# Altium PCB Mainboard.PcbDoc (part 2 of 4) (continued)
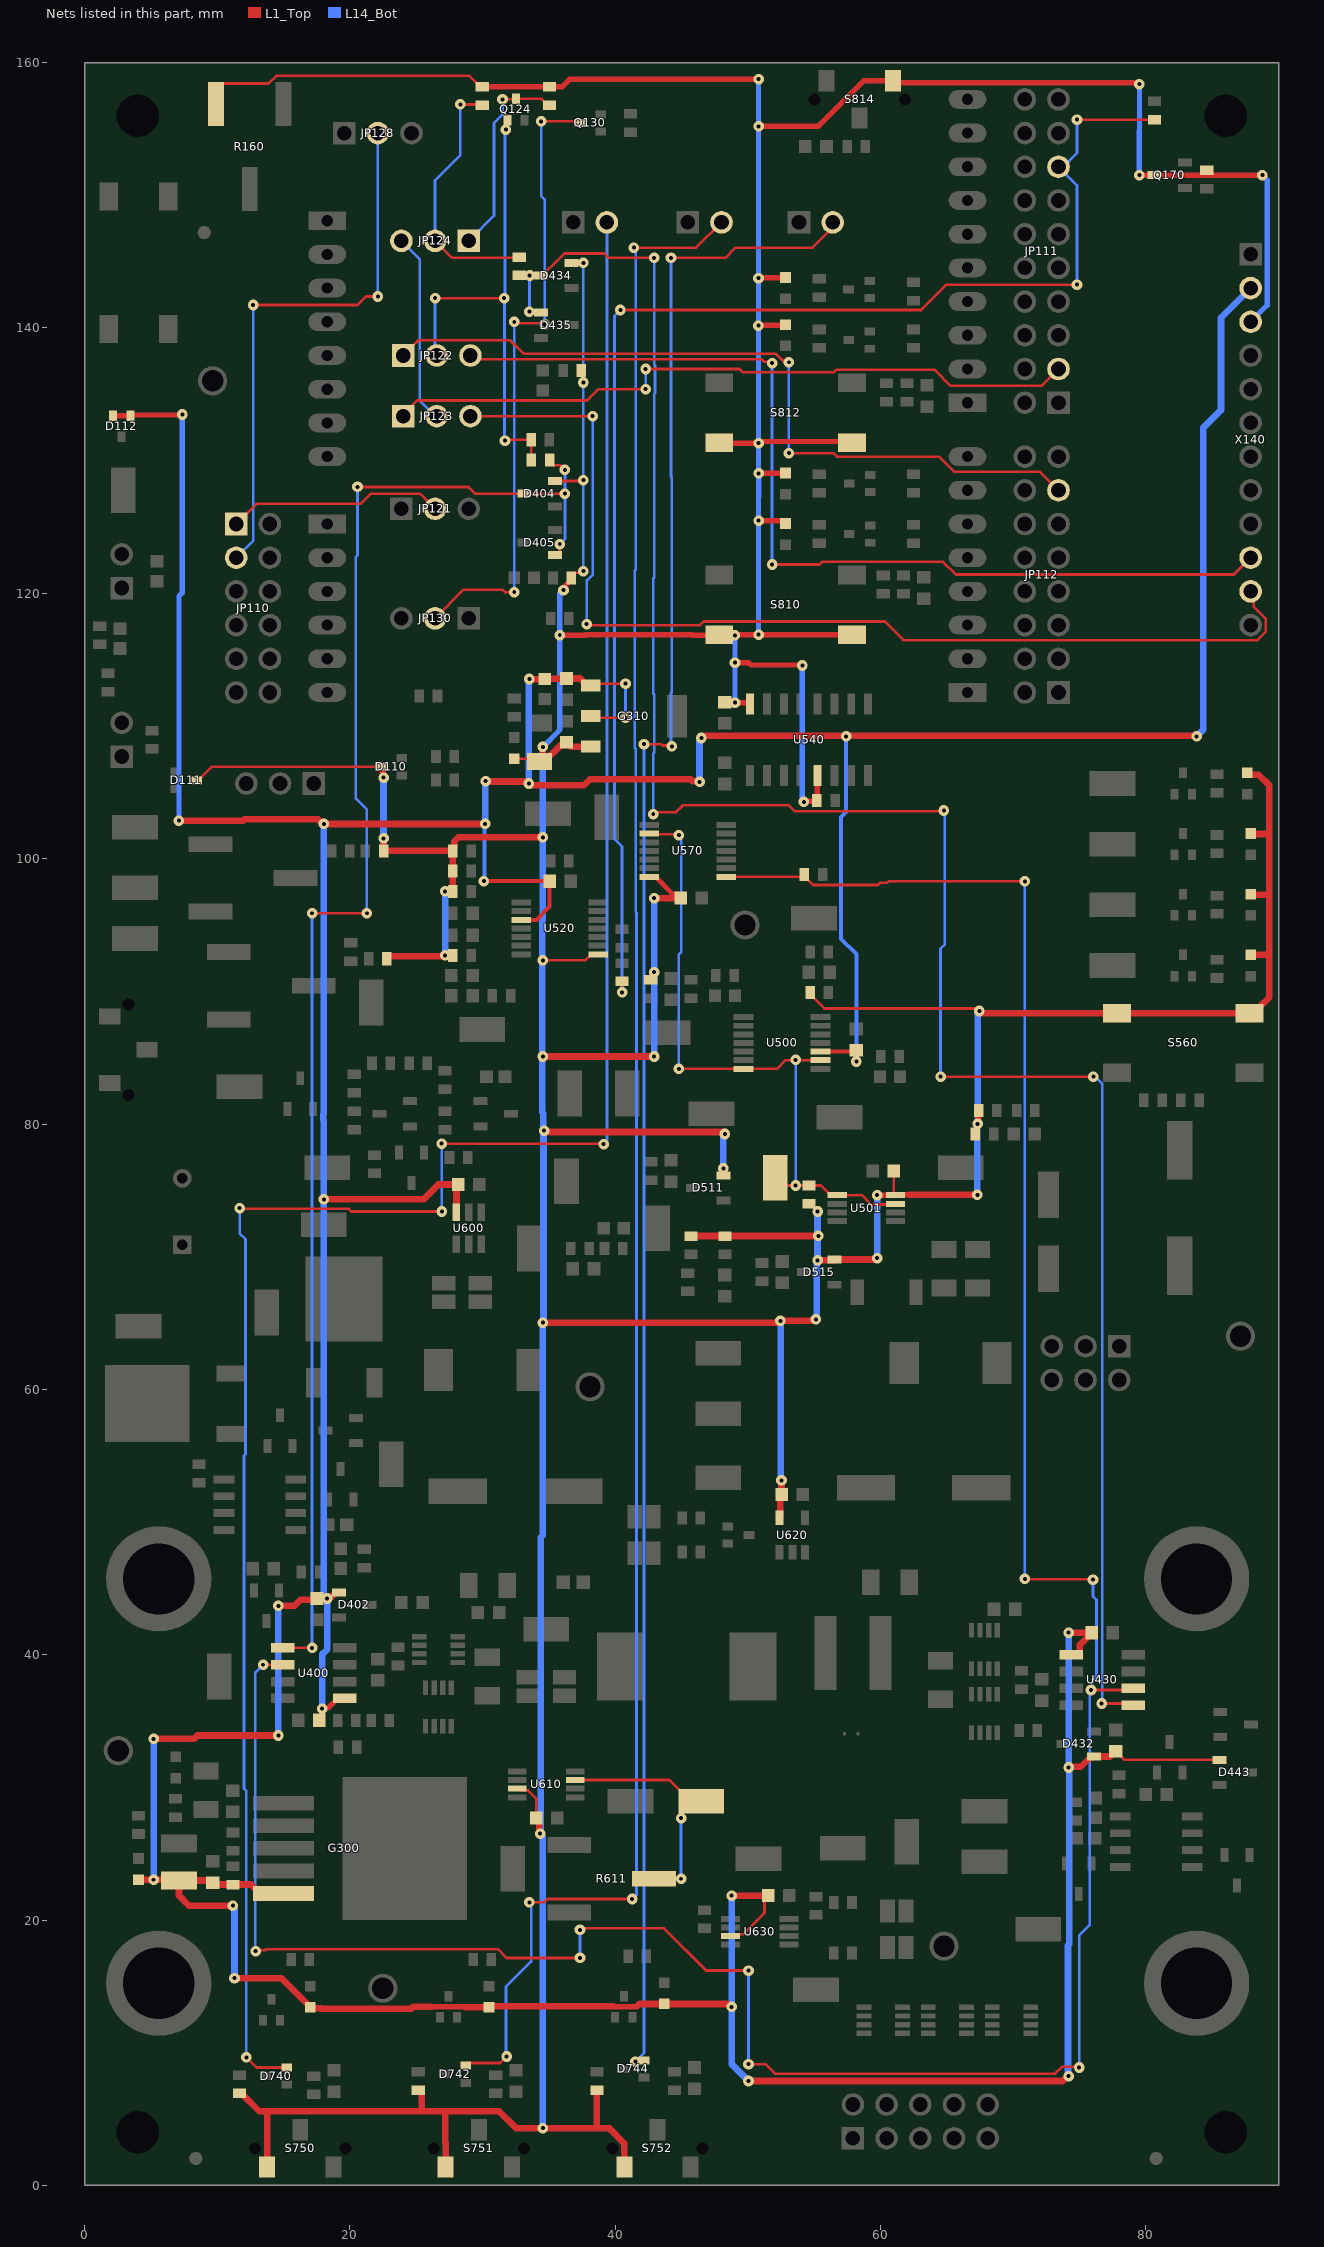
[diagram p2: the nets of this part, all layers, seen from the top]
## Part data (continued)
U410 U440: library part 644198, "General Purpose Timers", Manufacturer=Renesas, Package Description="SOIC,1.27mm pitch;8 pin,3.90mm W X 4.90mm L X 1.75mm H body", Supplier Part Number 1=9663754, Temperature max=85, Temperature min=-25, Temperature Range=Military, Voltage DC (max)=na, Alternate View=Yes, Application="Standard Interface", Article Number=644198, Automotive Qualified=No, Combined Parameters="Standard Interface Clock Buffer;Vdc min/max:2V/18V;Iout:100mA;Fmax:1MHz", ComponentLink1Description="Vendor WebSite", ComponentLink1URL=http://www.renesas.eu/, ComponentLink2Description=Datasheet, ComponentLink2URL=http://webnetprod.muc.infineon.com/PCBPortal_Prod/WorkFlows/AltiumComponent/StandardDocumentation?Versionid=644199, ComponentStatus=Released, Legacy DeviceID=REN_ICM7555IBAZ, Manufacturer Order Number=ICM7555IBAZ, Multiple Parts=No, PackageReference=SOIC-8, Part Type="Integrated Circuit", PLMStatus=Active, QuickPick=SOIC-8, RoHS Compliant=Y, Second Source allowed=Yes, Supplier 1=Farnell, Supplier 2=DigiKey, Supplier 3=Mouser, Supplier Part Number 2=ICM7555IBAZ-TCT-ND, Supplier Part Number 3=968-ICM7555IBAZ, Symbol Type="General Purpose Timer", Type="Clock Buffer", Version Number=V01
U500 U520: library part 409035, "Quad Differential Comparator", Legacy PartNumber=IC02600564, Manufacturer="Texas Instruments", Supplier Part Number 1=2436009, Temperature max=0, Temperature Range=Military, Voltage DC (max)=na, Alternate View=Yes, Article Number=409035, Automotive Qualified=No, Combined Parameters=Res.:-;Fmax:-, ComponentLink1Description="Vendor WebSite", ComponentLink1URL=http://www.ti.com, ComponentLink2Description=Datasheet, ComponentLink2URL=http://webnetprod.muc.infineon.com/PCBPortal_Prod/WorkFlows/AltiumComponent/StandardDocumentation?Versionid=409036, ComponentStatus=Released, Legacy DeviceID=TI_LM339, Manufacturer Order Number=LM339PWR, PackageReference="TSSOP-14 (PW)", Part Type="Analog Parts", PLMStatus=Active, QuickPick="TSSOP-14 (PW)", Second Source allowed=Yes, Supplier 1=Farnell, Supplier 2=DigiKey, Supplier 3=Mouser, Supplier Part Number 2=296-6607-2-ND, Supplier Part Number 3=595-LM339PWR, Symbol Type="Quad Differential Comparator", Temperature min=0, Version Number=V01
U501: library part 648281, "Low-Power Open-Drain Output Comparator", Manufacturer="Microchip Technology", Package Description="SOP,0.65mm pitch;8 pin,3.00mm W X 3.00mm L X 1.10mm H body", Supplier Part Number 1=1834862, Temperature max=125, Temperature min=-40, Temperature Range=Automotive, Voltage DC (max)=na, Alternate View=Yes, Application="Power Electronics", Article Number=648281, Automotive Qualified=No, Combined Parameters=Res.:-;Fmax:4MHz, ComponentLink1Description="Vendor WebSite", ComponentLink1URL=http://www.microchip.com/, ComponentLink2Description=Datasheet, ComponentLink2URL=http://webnetprod.muc.infineon.com/PCBPortal_Prod/WorkFlows/AltiumComponent/StandardDocumentation?Versionid=648282, ComponentStatus=Released, Legacy DeviceID=MT_MCP6567-E/MS, Manufacturer Order Number=MCP6567-E/MS, Multiple Parts=Yes, PackageReference="MSOP-8 (MS)", Part Type="Analog Parts", PLMStatus=Active, QuickPick="Comparator / MSOP-8 (MS)", RoHS Compliant=Y, Second Source allowed=Yes, Supplier 1=Farnell, Supplier 2=DigiKey, Supplier 3=Mouser, Supplier Part Number 2=MCP6567-E/MS-ND, Supplier Part Number 3=579-MCP6567-E/MS, Symbol Type="Low-Power Open-Drain Output Comparator", Type=Comparator, Version Number=V00
U540: library part 648079, "Quad R/S latch with 3-state outputs", Manufacturer=Nexperia, Package Description="SOIC,1.27mm pitch;16 pin,3.90mm W X 9.90mm L X 1.75mm H body", Temperature max=85, Temperature min=-40, Temperature Range=Industrial, Voltage DC (max)=na, Alternate View=No, Article Number=648079, Automotive Qualified=No, Combined Parameters="- Digital;Vdc min/max:3V/15V;Iout:2.4mA;Fmax:-", ComponentLink1Description="Vendor WebSite", ComponentLink1URL=http://www.nexperia.com, ComponentLink2Description=Datasheet, ComponentLink2URL=http://webnetprod.muc.infineon.com/PCBPortal_Prod/WorkFlows/AltiumComponent/StandardDocumentation?Versionid=648080, ComponentStatus=Released, Legacy DeviceID=NEX_HEF4043BT,653, Manufacturer Order Number=HEF4043BT,653, Multiple Parts=No, PackageReference=SO-16, Part Type="Integrated Circuit", PLMStatus=Active, QuickPick=SO-16, RoHS Compliant=Y, Second Source allowed=Yes, Supplier 1=Farnell, Supplier 2=DigiKey, Supplier 3=Mouser, Supplier Part Number 2=1727-1799-1-ND, Supplier Part Number 3=771-HEF4043BT653, Symbol Type="Quad R/S latch with 3-state outputs", Type=Digital, Version Number=V00
U570: library part 648286, "Dual 4-input NOR gate, Inputs also include clamp diodes that enable the use of current limiting resistors", Manufacturer=Nexperia, Package Description="SOP,0.65mm,pitch;14 pin,4.40mm W X 5.00mm L X 1.10mm H body", Supplier Part Number 1=3441850, Temperature max=125, Temperature min=-40, Temperature Range=Automotive, Voltage DC (max)=na, Alternate View=Yes, Application="Power Electronics", Article Number=648286, Automotive Qualified=No, Combined Parameters="Power Electronics Digital;Vdc min/max:2V/6V;Iout:25mA;Fmax:-", ComponentLink1Description="Vendor WebSite", ComponentLink1URL=http://www.nexperia.com, ComponentLink2Description=Datasheet, ComponentLink2URL=http://webnetprod.muc.infineon.com/PCBPortal_Prod/WorkFlows/AltiumComponent/StandardDocumentation?Versionid=648287, ComponentStatus=Released, Legacy DeviceID=NEX_74HC4002PW,118, Manufacturer Order Number=74HC4002PW,118, Multiple Parts=Yes, PackageReference="TSSOP14 (SOT402-1)", Part Type="Integrated Circuit", PLMStatus=Active, QuickPick="TSSOP14 (SOT402-1)", RoHS Compliant=Y, Second Source allowed=Yes, Supplier 1=Farnell, Supplier 2=DigiKey, Supplier 3=Mouser, Supplier Part Number 2=1727-6600-1-ND, Supplier Part Number 3=771-HC4002PW118, Symbol Type="Dual 4-input NOR gate", Type=Digital, Version Number=V00
U600: library part 644045, "Low-Cost, Voltage-Output, High-Side Current-Sense Amplifier", Manufacturer="Maxim Integrated Products", Package Description="SOT,0.95mm pitch;6 pin,1.625mm W X 2.90mm L X 1.45mm H body", Supplier Part Number 1=2515284, Temperature max=125, Temperature min=-40, Temperature Range=Automotive, Voltage DC (max)=na, Alternate View=No, Application="Power Supply", Article Number=644045, Automotive Qualified=Yes, Combined Parameters=Res.:-;Fmax:-, ComponentLink1Description="Vendor WebSite", ComponentLink1URL=http://www.maxim-ic.com/, ComponentLink2Description=Datasheet, ComponentLink2URL=http://webnetprod.muc.infineon.com/PCBPortal_Prod/WorkFlows/AltiumComponent/StandardDocumentation?Versionid=644046, ComponentStatus=Released, Legacy DeviceID=MIP_MAX4073FAUT+T, Manufacturer Order Number=MAX4073FAUT+T, Multiple Parts=No, PackageReference=SOT23-6, Part Type="Analog Parts", PLMStatus=Active, QuickPick="Amplifier / SOT23-6", RoHS Compliant=Y, Second Source allowed=Yes, Supplier 1=Farnell, Supplier 2=DigiKey, Supplier 3=Mouser, Supplier Part Number 2=MAX4073FAUT+TCT-ND, Supplier Part Number 3=700-MAX4073FAUT+T, Symbol Type="Low-Cost, Voltage-Output, High-Side Current-Sense Amplifier", Type=Amplifier, Version Number=V01
U610: library part 645975, "Current Sense Amplifiers Current-Sense Amplifier W / PWM Rejection", Manufacturer="Maxim Integrated Products", Package Description="SOP,0.65mm pitch;8 pin,3.00mm W X 3.00mm L X 1.10mm H body", Supplier Part Number 1=3288156, Temperature max=125, Temperature min=-40, Temperature Range=Automotive, Voltage DC (max)=na, Alternate View=No, Application="Power Electronics", Article Number=645975, Automotive Qualified="AEC Q100", Combined Parameters=Res.:-;Fmax:-, ComponentLink1Description="Vendor WebSite", ComponentLink1URL=http://www.maxim-ic.com/, ComponentLink2Description=Datasheet, ComponentLink2URL=http://webnetprod.muc.infineon.com/PCBPortal_Prod/WorkFlows/AltiumComponent/StandardDocumentation?Versionid=645976, ComponentStatus=Released, Legacy DeviceID=MIP_MAX40056TAUA+, Manufacturer Order Number=MAX40056TAUA+, Multiple Parts=No, PackageReference=uMAX-8, Part Type="Analog Parts", PLMStatus=Active, QuickPick="Amplifier / uMAX-8", RoHS Compliant=Y, Second Source allowed=Yes, Supplier 1=Farnell, Supplier 2=DigiKey, Supplier 3=Mouser, Supplier Part Number 2=175-MAX40056TAUA+-ND, Supplier Part Number 3=700-MAX40056TAUA+, Symbol Type="Bidirectional Current Sense Amplifier with PWM-Rejection", Type=Amplifier, Version Number=V01
U620: library part 646034, "Low- and High-Side Voltage Output, Current-Sense Amplifier", Manufacturer="Texas Instruments", Package Description="SOT,0.95mm pitch;5 pin,1.60mm W X 2.90mm L X 1.45mm H body", Temperature max=125, Temperature min=-40, Temperature Range=Automotive, Voltage DC (max)=na, Alternate View=Yes, Application="Power Electronics", Article Number=646034, Automotive Qualified=No, Combined Parameters=Res.:-;Fmax:-, ComponentLink1Description="Vendor WebSite", ComponentLink1URL=http://www.ti.com, ComponentLink2Description=Datasheet, ComponentLink2URL=http://webnetprod.muc.infineon.com/PCBPortal_Prod/WorkFlows/AltiumComponent/StandardDocumentation?Versionid=646035, ComponentStatus=Released, Legacy DeviceID=TI_INA180A1IDBVR, Manufacturer Order Number=INA180A1IDBVR, Multiple Parts=Yes, PackageReference="SOT-23 (DBV)", Part Type="Analog Parts", PLMStatus=Active, QuickPick="Amplifier / SOT-23 (DBV)", RoHS Compliant=Y, Second Source allowed=Yes, Supplier 1=Farnell, Supplier 2=DigiKey, Supplier 3=Mouser, Supplier Part Number 2=296-47652-1-ND, Supplier Part Number 3=595-INA180A1IDBVR, Symbol Type="1-MHz, High-Precision Current Sense Amplifier", Type=Amplifier, Version Number=V01
U630: library part 648334, "Automotive, High-Voltage, Precision, Rail-to-Rail In, Rail-to-Rail Out Op Amp, Inverter and Motor Control Applications", Manufacturer="Texas Instruments", Package Description="SOP,0.65mm pitch;8 pin,3.00mm W X 3.00mm L X 1.10mm H body", Temperature max=125, Temperature min=-40, Temperature Range=Automotive, Voltage DC (max)=na, Alternate View=Yes, Application="Power Supply", Article Number=648334, Automotive Qualified="AEC Q100", Combined Parameters=Res.:-;Fmax:-, ComponentLink1Description="Vendor WebSite", ComponentLink1URL=http://www.ti.com, ComponentLink2Description=Datasheet, ComponentLink2URL=http://webnetprod.muc.infineon.com/PCBPortal_Prod/WorkFlows/AltiumComponent/StandardDocumentation?Versionid=648335, ComponentStatus=Released, Legacy DeviceID=TI_TLV197QDGKRQ1, Manufacturer Order Number=TLV197QDGKRQ1, Multiple Parts=Yes, PackageReference=VSSOP-8(DGK), Part Type="Analog Parts", PLMStatus=Active, QuickPick="Amplifier / VSSOP-8(DGK)", RoHS Compliant=Y, Second Source allowed=Yes, Supplier 1=Farnell, Supplier 2=DigiKey, Supplier 3=Mouser, Supplier Part Number 2=296-TLV197QDGKRQ1CT-ND, Supplier Part Number 3=595-TLV197QDGKRQ1, Symbol Type="High-Precision, Low-Noise, Rail-to-Rail Output, JFET Op Amp", Type=Amplifier, Version Number=V00
W100 W500: library part 453053, "SMD Net Tie for two Nets", Legacy PartNumber=CON01501379, Manufacturer="Infineon Technologies", Package Description="SMD Net Tie 0.2mm x 0.6mm", Temperature max=0, Temperature Range=Military, Voltage DC (max)=na, Alternate View=Yes, Article Number=453053, Combined Parameters="- onboard connector;-x-;Mounting:SMT;Orient:-;Shielded:-", ComponentLink1Description="Vendor WebSite", ComponentLink1URL=https://www.infineon.com/, ComponentLink2Description=Datasheet, ComponentStatus=Released, Legacy DeviceID="CON_Net Tie_small_2p", Manufacturer Order Number="Net Tie_small_2p", PackageReference=SMD, Part Type=Connector, PLMStatus=Active, Second Source allowed=Yes, Supplier 1=Farnell, Supplier 2=DigiKey, Supplier 3=Mouser, Symbol Type="Net Tie for two Nets", Temperature min=0, Version Number=V01
X100 X101 X102 X103: library part 599069, "Non Insulated Jack, Brass", Manufacturer="Keystone Electronics Corp.", Package Description="Terminal; 1 pin, 7.92 mm D X 2.51 mm H body", Temperature max=0, Temperature Range=Military, Voltage DC (max)=na, Alternate View=Yes, Article Number=599069, Automotive Qualified=No, Combined Parameters="Board-to-Cable Socket (female);-x-;Mounting:THT;Orient:0° (vertical);Shielded:No", ComponentLink1Description="Vendor WebSite", ComponentLink1URL=http://www.keyelco.com/, ComponentLink2Description=Datasheet, ComponentLink2URL=http://webnetprod.muc.infineon.com/PCBPortal_Prod/WorkFlows/AltiumComponent/StandardDocumentation?Versionid=599070, ComponentStatus=Released, Legacy DeviceID=KEY_575-8, Manufacturer Order Number=575-8, Multiple Parts=No, PackageReference=THT, Part Type=Connector, PLMStatus=Active, QuickPick="0° (vertical) / Board-to-Cable", RoHS Compliant=N, Second Source allowed=Yes, Style=Banana, Supplier 1=Farnell, Supplier 2=DigiKey, Supplier 3=Mouser, Supplier Part Number 2=36-575-8-ND, Supplier Part Number 3=534-575-8, Symbol Type="Connector, 1 Lead, Female", Temperature min=0, Type=Board-to-Cable, Version Number=V01
X110: library part 644888, "Arduino Uno is a microcontroller board based on the ATmega328P", Manufacturer="Infineon Technologies", Package Description="Arduino-Uno, THT, 32 Pin, 68.58 mm L X 53.34 mm W X 8.64 mm H body", Temperature max=85, Temperature min=-40, Temperature Range=Industrial, Voltage DC (max)=na, Alternate View=Yes, Article Number=644888, Automotive Qualified=No, Combined Parameters="Board-to-Board Socket (female);-x-;Mounting:THT;Orient:0° (vertical);Shielded:-", ComponentLink1Description="Vendor WebSite", ComponentLink1URL=https://www.infineon.com/, ComponentLink2Description=Datasheet, ComponentStatus=Released, Legacy DeviceID=Infineon_Arduino-Uno, Manufacturer Order Number=Arduino-Uno, Multiple Parts=Yes, PackageReference=THT, Part Type=Connector, PLMStatus=Active, QuickPick="0° (vertical) / Board-to-Board", RoHS Compliant=N, Second Source allowed=Yes, Supplier 1=Farnell, Supplier 2=DigiKey, Supplier 3=Mouser, Symbol Type="Arduino Uno is a microcontroller board based on the ATmega328P", Type=Board-to-Board, Version Number=V01
X140: library part 381343, "Through hole .025 SQ Post Header, 2.54mm pitch, 12 pin, vertical, single row", Legacy PartNumber=CON01500432, Manufacturer=Samtec, Package Description="Header,vertical,2.54mm pitch;0.64mm lead width,12 pins,1 row,12 pins per row,30.48mm L X 2.54mm W X 8.98mm H body", Supplier Part Number 1=2035615, Temperature max=125, Temperature min=-55, Temperature Range=Military, Voltage DC (max)=na, Article Number=381343, Automotive Qualified=No, Combined Parameters="Board-to-Board Header (male);12x1;Mounting:THT;Orient:0° (vertical);Shielded:No", ComponentLink1Description="Vendor WebSite", ComponentLink1URL=http://www.samtec.com/, ComponentLink2Description=Datasheet, ComponentLink2URL=http://webnetprod.muc.infineon.com/PCBPortal_Prod/WorkFlows/AltiumComponent/StandardDocumentation?Versionid=381344, ComponentStatus=Released, Legacy DeviceID=SAM_TSW-112-07-L-S, Manufacturer Order Number=TSW-112-07-L-S, Part Type=Connector, PLMStatus=Active, QuickPick="0° (vertical) / Board-to-Board", RoHS Compliant=Y, Second Source allowed=Yes, Style=Strip, Supplier 1=Farnell, Supplier 2=DigiKey, Supplier 3=Mouser, Supplier Part Number 2=SAM1031-12-ND, Type=Board-to-Board, Version Number=V01
X150: library part 638630, "WR-BHD Male Box Header, 2.54mm pitch, 10 pin, Vertical, Double row", Manufacturer="Wurth Elektronik", Package Description="Connector, THT, 2.54mm Pitch; 10 Pins, 9.10 mm L X 20.36 mm W X 9.25 mm H body", Supplier Part Number 1=1642019, Temperature max=105, Temperature min=-40, Temperature Range=Industrial, Voltage DC (max)=na, Article Number=638630, Automotive Qualified=No, Combined Parameters="Board-to-Board/Cable Header (male);5x2;Mounting:THT;Orient:0° (vertical);Shielded:No", ComponentLink1Description="Vendor WebSite", ComponentLink1URL=http://www.we-online.com, ComponentLink2Description=Datasheet, ComponentLink2URL=http://webnetprod.muc.infineon.com/PCBPortal_Prod/WorkFlows/AltiumComponent/StandardDocumentation?Versionid=638631, ComponentStatus=Released, Legacy DeviceID=WE_61201021621, Manufacturer Order Number=61201021621, PackageReference=THT, Part Type=Connector, PLMStatus=Active, QuickPick="0° (vertical) / Board-to-Board/Cable", RoHS Compliant=Y, Second Source allowed=Yes, Style=Strip, Supplier 1=Farnell, Supplier 2=DigiKey, Supplier 3=Mouser, Supplier Part Number 2=732-2094-ND, Supplier Part Number 3=710-61201021621, Type=Board-to-Board/Cable, Version Number=V01

## Via types
v1: diameter 0.8, hole 0.3, L1_Top to L14_Bot, tented both sides, 814 vias

## Nets (pads, with @x,y where several pads share a name; then routed paths per layer and width w, separated by ;. In a path a pad name is that pad's centre, name@x,y a point inside that pad or via, vN(x,y) a via of type N, cw(c..) or ccw(c..) an arc to the next point about the centre after c; other vN are vias at no path point)
3V3: C312.2 C313.2 C501.1 C540.2 C570.1 C610.2 C620.2 D110.3 D111.3 D340.2 D404.2 D434.2 D511.2 D515.2 D550.2 D551.2 D552.2 D553.2 D801.2 D803.2 D805.2 D807.2 G310.3 Q170.3 R123.1 R124.2 R160.3 R170.1 R405.2 R435.1 R500.1 R501.1 R502.1 R504.1 R508.1 R509.2 R512.1 R513.2 R520.1 R522.2 R525.1 R527.1 R529.2 R532.1 R740.2 R742.2 R744.2 S560.3 S560.4 S750.1 S751.1 S752.1 S810.3 S810.4 S812.3 S812.4 S814.1 U501.8 U520.8 U540.5 U540.16 U570.14 U610.3 U620.5 X140.3 | length 649.1
  L1_Top w0.2: D111.3@8.458,105.903 8.558,105.903 9.589,106.934 D110.3@22.314,106.934 ; R160.3@9.906,156.87 9.906,157.925 10.401,158.42 13.867,158.42 14.451,159.004 29.003,159.004 29.837,158.17 R123.1@29.972,158.17 ; D340.2@32.385,107.531 C313.2@34.074,107.531 ; U610.3@32.598,29.901 32.723,29.776 33.422,29.776 34.036,29.162 C610.2@34.036,27.686 ; v1(34.544,92.329) 37.726,92.329 38.189,92.792 U520.8@38.714,92.792 ; D404.2@35.44,128.458 37.526,128.458 v1(37.592,128.524) ; R405.2@36.686,121.158 36.686,121.293 36.946,121.553 37.479,121.553 v1(37.592,121.666) ; D434.2@36.703,144.902 37.587,144.902 v1(37.592,144.907) ; R435.1@37.448,136.779 37.592,136.635 v1(37.592,135.89) ; R502.1@54.682,89.916 54.682,89.781 55.755,88.708 67.086,88.708 67.275,88.519 v1(67.437,88.519) ; C501.1@60.998,76.454 60.998,74.76 61.123,74.635 U501.8@61.128,74.635
  L1_Top w0.4: R123.1@29.972,158.17 R124.2@35.052,158.17 35.996,158.17 36.576,158.75 v1(50.8,158.75) ; C313.2@34.074,107.531 C313.2@34.29,107.315 ; v1(35.814,116.84) 37.731,116.84 37.762,116.871 38.173,116.871 38.179,116.878 45.797,116.878 45.835,116.84 47.796,116.84 S810.3@47.832,116.876 47.878,116.83 v1(49.011,116.83) ; v1(36.095,120.243) 36.171,120.32 36.171,120.508 36.686,121.023 R405.2@36.686,121.158 ; U570.14@42.566,98.634 43.016,98.634 44.372,97.278 ; S812.3@47.832,131.354 47.868,131.318 v1(50.8,131.318) 50.908,131.318 51.035,131.445 57.741,131.445 S812.4@57.832,131.354 ; v1@49.011,116.876 v1(50.8,116.876) 52.989,116.876 52.991,116.878 54.994,116.878 54.996,116.876 S810.4@57.832,116.876 ; v1(49.022,111.76) 50.071,111.76 U540.16@50.165,111.666 ; v1(49.022,114.776) 50.038,114.776 50.222,114.592 54.064,114.592 v1(54.102,114.554) ; v1(50.787,140.175) 50.822,140.21 52.796,140.21 D805.2@52.832,140.246 ; v1(50.793,143.757) 50.816,143.78 52.81,143.78 D807.2@52.832,143.802 ; v1(50.8,125.476) 52.398,125.476 52.414,125.46 52.632,125.46 D801.2@52.832,125.26 ; v1(50.8,155.194) 55.287,155.194 58.719,158.626 S814.1@60.92,158.626 ; v1(50.809,129.041) 50.824,129.056 52.818,129.056 D803.2@52.832,129.07 ; v1(54.216,104.28) 54.273,104.337 55.133,104.337 55.217,104.422 55.217,106.239 U540.5@55.245,106.266 ; v1(59.731,74.635) U501.8@61.123,74.635 ; U501.8@61.128,74.635 61.153,74.66 62.214,74.66 ; S814.1@61.174,158.622 61.32,158.476 79.287,158.476 79.394,158.369 v1(79.502,158.369) ; v1(79.502,151.511) Q170.3@80.638,151.511 v1(88.773,151.511)
  L1_Top w0.5: R740.2@11.684,6.93 11.819,6.93 13.161,5.588 13.716,5.588 ; S750.1@13.756,1.394 13.756,5.548 13.716,5.588 ; D110.3@22.314,106.934 22.414,106.934 22.464,106.884 22.464,106.784 22.477,106.771 22.477,106.157 v1(22.534,106.1) ; v1(22.534,101.528) R529.2@22.534,100.584 R520.1@27.639,100.584 ; R522.2@22.788,92.456 22.788,92.543 22.898,92.653 27.121,92.653 v1(27.178,92.71) ; R742.2@25.4,7.184 25.4,5.588 ; v1(27.178,97.536) R532.1@27.758,97.536 R527.1@27.758,99.06 R520.1@27.758,100.584 27.758,100.719 27.868,100.829 27.868,101.307 28.161,101.6 v1(34.544,101.6) ; S751.1@27.218,1.394 27.218,3.167 27.178,3.207 27.178,5.588 ; C610.2@34.036,27.686 34.261,27.461 34.261,26.679 34.34,26.6 v1(34.34,26.519) ; v1(34.544,65.024) 52.221,65.024 52.359,65.162 v1(52.44,65.162) 54.921,65.162 55.037,65.278 v1(55.118,65.278) ; v1(34.544,85.09) v1(42.926,85.09) ; v1(34.544,108.42) 34.544,107.569 C313.2@34.29,107.315 34.641,107.315 35.864,108.538 36.097,108.538 C312.2@36.322,108.763 36.347,108.763 36.666,108.444 G310.3@38.152,108.444 ; v1(34.644,79.502) 34.701,79.445 34.855,79.445 34.903,79.397 v1@48.26,79.397 ; R744.2@38.608,7.184 38.608,4.318 ; S752.1@40.68,1.394 40.68,3.167 39.529,4.318 38.608,4.318 ; R504.1@42.731,90.832 42.869,90.97 42.869,91.383 v1(42.926,91.44) ; v1(42.926,97.028) C570.1@44.92,97.028 ; 44.372,97.278 C570.1@44.695,97.278 ; R508.1@45.72,71.556 R509.2@48.26,71.556 48.265,71.561 55.295,71.561 v1(55.3,71.566) ; U620.5@52.39,50.322 52.44,50.372 52.44,52.059 52.532,52.151 52.532,53.132 v1(52.523,53.141) ; v1(55.245,69.723) 56.461,69.723 D515.2@56.522,69.784 59.543,69.784 59.65,69.891 v1(59.731,69.891) ; 62.214,74.66 v1(67.294,74.66) ; v1(67.31,80.01) 67.346,80.046 67.346,80.99 R513.2@67.382,81.026 ; v1@67.609,88.356 S560.4@77.804,88.356 S560.3@87.804,88.356 88.154,88.356 88.604,88.806 88.604,88.858 89.3,89.554 89.3,92.964 ; D550.2@87.63,106.464 87.78,106.314 88.504,106.314 89.3,105.518 89.3,101.854 ; D553.2@87.884,92.748 89.084,92.748 89.3,92.964 ; D552.2@87.884,97.32 87.922,97.282 89.3,97.282 ; D551.2@87.884,101.892 87.922,101.854 89.3,101.854 ; 13.716,5.588 25.4,5.588 ; 25.4,5.588 27.178,5.588 ; 27.178,5.588 31.242,5.588 32.512,4.318 v1(34.544,4.318) 38.608,4.318 ; 89.3,92.964 89.3,97.282 ; 89.3,97.282 89.3,101.854
  L14_Bot w0.2: v1(37.592,121.666) v1(37.592,128.524) v1(37.592,135.89) v1(37.592,144.907)
  L14_Bot w0.4: v1(34.544,108.42) 35.814,109.69 v1(35.814,116.84) 35.814,120.015 36.042,120.243 v1(36.095,120.243) ; v1(49.011,116.83) 49.016,116.824 49.016,114.782 v1(49.022,114.776) v1(49.022,111.76) ; v1(50.8,116.876) v1(50.8,125.476) 50.8,127.263 ; v1@50.8,129.041 v1(50.8,131.318) 50.793,131.325 50.793,140.168 v1(50.787,140.175) 50.79,140.178 50.79,143.754 v1(50.793,143.757) 50.797,143.761 50.797,155.191 v1(50.8,155.194) v1(50.8,158.75) ; 50.809,127.263 v1(50.809,129.041) ; v1@54.102,104.28 v1(54.102,114.554) ; v1(79.502,151.511) 79.502,154.871 79.509,154.878 79.509,155.822 79.506,155.825 79.506,158.365 v1(79.502,158.369) ; X140.3@87.884,140.462 89.134,141.712 89.134,151.15 v1(88.773,151.511)
  L14_Bot w0.5: v1(22.534,101.528) v1(22.534,106.1) ; v1(27.178,92.71) v1@27.178,97.282 ; v1(34.34,26.519) 34.378,26.557 34.378,48.856 34.544,49.022 v1(34.544,65.024) 34.594,65.074 34.594,79.467 34.559,79.502 34.559,80.811 34.494,80.876 34.494,95.33 34.544,95.38 v1(34.544,101.6) v1(34.544,108.42) ; v1(34.544,4.318) v1@34.544,26.233 ; v1(42.926,85.09) v1(42.926,91.44) v1(42.926,97.028) ; v1(48.14,76.651) 48.14,79.127 v1(48.26,79.247) ; v1(52.44,65.162) 52.482,65.12 52.482,53.182 v1(52.523,53.141) ; v1(55.118,65.278) 55.181,65.341 55.181,69.659 v1(55.245,69.723) v1(55.245,73.406) ; v1(59.731,69.891) v1(59.731,74.635) ; v1(67.294,74.66) v1@67.294,80.01 ; v1(67.31,80.01) 67.31,88.311 67.437,88.438 v1(67.437,88.519)
12V: C302.2 C303.2 C310.2 C311.2 C400.2 C403.2 C430.2 C433.2 C500.1 C520.1 C600.2 C630.2 D112.1 D112.2 D330.2 D402.1 D432.1 D443.1 D741.2 D743.2 D745.2 G300.5 G310.1 G310.2 R300.2 U400.5 U430.5 U500.3 U520.3 U600.3 U630.7 X140.2 | length 491.6
  L1_Top w0.2: G310.2@38.152,110.744 38.279,110.617 v1(40.767,110.617) ; G310.1@38.152,113.044 38.293,113.185 v1(40.767,113.185) ; U630.7@48.686,18.796 48.811,18.921 49.629,18.921 51.246,20.538 51.246,21.566 C630.2@51.524,21.844 ; C433.2@77.724,32.728 77.749,32.728 78.124,32.353 78.124,32.328 78.38,32.072 D443.1@85.981,32.072
  L1_Top w0.3: v1(30.099,98.298) C520.1@35.052,98.298 35.052,96.393 34.051,95.392 U520.3@32.914,95.392 ; U500.3@55.478,85.456 58.062,85.456 C500.1@58.166,85.56 v1(58.166,84.709)
  L1_Top w0.4: D112.2@2.144,133.388 D112.1@3.444,133.388 3.488,133.432 7.321,133.432 v1(7.366,133.477) ; 18.397,36.018 19.082,36.703 U400.5@19.612,36.703 ; 26.162,13.462 28.664,13.462 28.702,13.424 ; 39.878,13.512 39.928,13.462 41.556,13.462 41.606,13.512
  L1_Top w0.5: D330.2@4.064,23.038 v1(5.207,23.038) 7.058,23.038 C303.2@7.112,22.984 ; v1(5.207,33.655) 8.24,33.655 8.494,33.909 v1(14.605,33.909) ; v1(7.112,102.87) 11.948,102.87 12.036,102.958 17.611,102.958 17.953,102.616 v1(30.185,102.616) ; v1(11.176,21.082) 7.874,21.082 7.112,21.844 C303.2@7.112,22.984 ; v1(11.303,15.621) 14.821,15.621 D741.2@17.018,13.424 17.076,13.366 17.749,13.366 17.806,13.309 24.612,13.309 24.765,13.462 26.162,13.462 ; v1(14.605,43.688) 15.821,43.688 16.276,44.143 17.435,44.143 C403.2@17.526,44.234 ; G300.5@15.009,21.971 13.259,21.971 12.552,22.678 R300.2@11.176,22.678 9.796,22.678 C302.2@9.652,22.822 9.49,22.984 C303.2@7.112,22.984 ; v1(18.034,74.315) 25.547,74.315 26.67,75.438 C600.2@28.156,75.438 28.036,75.318 28.036,73.366 U600.3@28.006,73.336 ; v1(18.288,44.234) 18.345,44.291 18.544,44.291 18.952,44.699 D402.1@19.177,44.699 ; 28.702,13.424 D743.2@30.48,13.424 ; v1(30.226,105.836) 30.247,105.815 33.125,105.815 33.218,105.722 33.425,105.722 v1(33.482,105.665) ; D743.2@30.822,13.512 39.878,13.512 ; v1@33.463,105.537 37.637,105.537 38.086,105.986 45.686,105.986 45.823,105.848 46.298,105.848 v1(46.355,105.791) ; v1(33.528,113.538) 33.534,113.532 34.665,113.532 C310.2@34.671,113.526 34.696,113.551 36.297,113.551 C311.2@36.322,113.576 37.359,113.576 37.652,113.283 37.652,113.244 37.852,113.044 G310.1@38.152,113.044 ; 41.606,13.512 41.656,13.512 41.822,13.678 D745.2@43.688,13.678 48.471,13.678 48.687,13.462 v1(48.768,13.462) ; v1(46.482,109.093) 46.563,109.093 46.743,109.273 47.574,109.273 48.946,109.273 83.767,109.273 v1(83.82,109.22) ; v1(48.768,21.844) C630.2@51.524,21.844 ; v1(50.038,7.874) 73.719,7.874 74.085,8.24 v1(74.166,8.24) ; v1(74.168,31.496) 74.225,31.553 75.084,31.553 75.805,32.274 76.03,32.274 D432.1@76.08,32.324 77.295,32.324 77.699,32.728 C433.2@77.724,32.728 ; v1(74.168,41.656) 75.883,41.656 75.908,41.631 75.008,40.731 75.008,40.115 74.898,40.005 U430.5@74.368,40.005
  L14_Bot w0.2: v1(40.767,110.617) v1(40.767,113.185)
  L14_Bot w0.3: v1(30.099,98.298) 30.142,98.341 30.142,102.573 v1(30.185,102.616) ; v1(57.404,109.22) 57.404,103.505 57.023,103.124 57.023,93.958 58.166,92.815 v1(58.166,84.709)
  L14_Bot w0.4: v1(7.112,102.87) 7.112,119.791 7.366,120.045 v1(7.366,133.477)
  L14_Bot w0.5: v1(5.207,23.038) v1(5.207,33.655) ; v1(11.176,21.082) 11.176,21.001 11.303,20.874 v1(11.303,15.621) ; v1(14.605,33.909) v1(14.605,43.688) ; v1(17.907,35.941) 17.907,40.024 18.288,40.405 v1(18.288,44.234) ; v1@18.034,44.234 v1(18.034,74.315) 18.034,80.264 17.987,80.311 17.987,80.725 18.034,80.772 v1(18.034,102.616) ; v1(30.185,102.616) 30.206,102.636 30.206,105.816 v1(30.226,105.836) ; v1(33.482,105.665) 33.482,111.089 33.471,111.101 33.471,113.481 v1(33.528,113.538) ; v1(46.355,105.791) 46.355,105.924 46.35,105.93 46.35,108.88 46.482,109.012 v1(46.482,109.093) ; v1(48.768,21.844) v1(48.768,13.462) 48.768,9.144 v1(50.038,7.874) ; v1(74.166,8.24) 74.118,8.288 74.118,18.08 74.218,18.18 74.218,31.446 v1(74.168,31.496) v1(74.168,41.656) ; v1(83.82,109.22) 84.328,109.728 84.328,132.487 85.652,133.81 85.652,140.77 X140.2@88.21,143.328
\Cntrl1: D740.2 JP125.2 | length 169.6
  L1_Top w0.2: v1(11.684,73.66) 11.729,73.615 19.883,73.615 20.092,73.406 v1(26.924,73.406) ; v1(12.192,9.652) 12.954,8.89 D740.2@15.24,8.89 ; v1(26.911,78.518) v1@38.83,78.518
  L14_Bot w0.2: v1(11.684,73.66) 11.684,71.765 12.133,71.315 12.133,55.118 12.016,55.001 12.016,29.905 12.192,29.729 v1(12.192,9.652) ; v1(26.911,78.518) 26.917,78.511 26.917,73.413 v1(26.924,73.406) ; v1(39.116,78.486) 39.37,78.74 JP125.2@39.37,147.955
\Cntrl2: D742.2 JP126.2 | length 155.3
  L1_Top w0.2: D742.2@28.74,9.032 28.94,9.232 31.301,9.232 31.783,9.714 v1(31.809,9.714) ; v1(33.528,21.336) 34.619,21.336 34.873,21.59 v1(41.275,21.59) ; v1(41.402,146.05) 46.101,146.05 JP126.2@48.006,147.955
  L14_Bot w0.2: v1(31.809,9.714) 31.76,9.763 31.76,14.986 33.655,16.881 33.655,20.919 ; v1(41.275,21.59) 41.594,21.909 41.594,95.912 41.529,95.977 41.529,108.269 41.464,108.334 41.464,110.324 41.467,110.327 41.467,116.013 41.464,116.016 41.464,121.702 41.529,121.767 41.529,145.761 41.402,145.888 v1(41.402,146.05)
\Cntrl3: D744.2 JP127.2 | length 153
  L1_Top w0.2: v1(41.509,9.328) 41.509,9.351 41.432,9.428 D744.2@42.164,9.428 ; v1(42.164,108.624) 43.461,108.624 43.561,108.524 44.195,108.524 v1(44.261,108.458) ; v1(44.196,145.288) 48.306,145.288 49.068,146.05 54.864,146.05 56.388,147.574 JP127.2@56.388,147.955
  L14_Bot w0.2: v1(41.509,9.328) 42.164,9.983 42.164,91.095 42.161,91.098 42.161,95.75 42.164,95.753 42.164,102.048 42.161,102.051 42.161,108.621 v1(42.164,108.624) ; v1(44.196,145.288) 44.196,128.798 44.261,128.733 44.261,112.521 44.196,112.456 44.196,108.523 v1(44.261,108.458)
\Overcurr: R501.2 TP501.1 U500.2 U500.14 U501.1 U501.7 U570.9 | length 50.4
  L1_Top w0.2: U570.9@42.566,101.884 42.622,101.828 44.73,101.828 v1(44.786,101.772) ; v1(44.786,84.156) U500.14@49.678,84.156 52.19,84.156 52.841,84.806 U500.2@55.478,84.806 ; TP501.1@52.07,75.946 52.65,75.366 v1(53.594,75.366) R501.2@54.61,75.366 55.497,75.366 56.228,74.635 U501.1@56.728,74.635 58.578,74.635 59.278,73.935 61.078,73.935 U501.7@61.128,73.985
  L14_Bot w0.2: v1(44.786,84.156) 44.786,92.789 44.961,92.964 44.961,101.435 44.786,101.61 v1(44.786,101.772) ; v1(53.594,75.366) v1(53.594,84.836)
\Shutdown: R112.1 U400.2 U430.2 U570.1 | length 218.4
  L1_Top w0.2: v1(12.892,17.653) 12.952,17.713 13.592,17.713 13.692,17.813 31.146,17.813 31.814,17.145 v1(37.338,17.145) ; v1(13.462,39.243) U400.2@14.932,39.243 ; v1(37.338,19.261) 37.453,19.376 37.791,19.376 37.794,19.379 43.671,19.379 46.856,16.194 v1(50.038,16.194) ; U570.1@48.366,98.634 54.074,98.634 R112.1@54.179,98.739 ; v1(50.038,9.144) 51.308,9.144 52.028,8.424 73.152,8.424 73.668,8.94 74.918,8.94 v1(74.968,8.89) ; R112.1@54.246,98.806 54.246,98.671 54.906,98.011 59.784,98.011 59.944,98.171 60.484,98.171 60.608,98.295 v1(70.869,98.295) ; v1(70.869,45.717) 70.9,45.686 75.915,45.686 75.946,45.717 v1(76.008,45.655) ; v1(75.858,37.338) 78.921,37.338 U430.2@79.048,37.465
  L14_Bot w0.2: v1(12.892,17.653) 12.872,17.672 12.872,38.653 v1(13.462,39.243) ; v1(37.338,17.145) v1(37.338,19.261) ; v1(50.038,9.144) v1(50.038,16.194) ; v1(70.869,45.717) 70.866,45.72 70.866,98.292 v1(70.869,98.295) ; v1(74.968,8.89) 74.968,18.834 75.754,19.62 75.754,37.276 v1@75.692,37.338 ; v1(75.858,37.338) v1@75.692,37.338 ; v1(76.008,45.655) 76.008,44.388 76.265,44.131 76.265,38.361 75.942,38.038 75.942,37.588 v1@75.692,37.338
A0: JP110.1 JP121.2 | length 16.4
  L1_Top w0.2: JP110.1@11.43,125.222 12.951,126.743 20.799,126.743 21.571,127.515 25.266,127.515 26.289,126.492 JP121.2@26.289,126.365
A1: JP110.3 JP128.2 | length 41.5
  L1_Top w0.2: v1(12.7,141.732) 20.574,141.732 21.209,142.367 v1(22.098,142.367)
  L14_Bot w0.2: JP110.3@11.43,122.682 12.7,123.952 v1(12.7,141.732) ; v1(22.098,142.367) 22.098,154.088 JP128.2@22.474,154.463
AREF: JP111.15 R171.1 R172.1 | length 107.7
  L1_Top w0.2: v1(40.386,141.351) 63.056,141.351 64.961,143.256 v1(74.803,143.256) ; v1(40.511,89.918) R172.1@40.511,90.748 ; JP111.15@73.406,152.146 JP111.15@73.521,152.261 ; v1(74.803,155.702) R171.1@80.645,155.702
  L14_Bot w0.2: v1(40.386,141.351) 39.94,140.905 39.94,101.478 40.511,100.907 v1(40.511,89.918) ; v1(74.803,143.256) 74.803,150.749 JP111.15@73.406,152.146 73.762,152.146 74.803,153.187 v1(74.803,155.702)
Blanking_NMOS: JP130.2 Q130.3 | length 48
  L1_Top w0.2: JP130.2@26.416,118.11 28.575,120.269 31.486,120.269 31.672,120.083 v1(32.385,120.083) ; v1(32.385,140.462) 32.487,140.36 34.569,140.36 v1(34.671,140.258) ; v1(34.417,155.575) 37.173,155.575 Q130.3@37.3,155.448
  L14_Bot w0.2: v1(32.385,120.083) v1(32.385,140.462) ; v1(34.417,155.575) 34.417,149.939 34.671,149.685 v1(34.671,140.258)
Boost_Cntrl: JP124.2 R123.2 R434.1 | length 19.6
  L1_Top w0.2: JP124.2@26.416,146.558 27.686,145.288 32.711,145.288 R434.1@32.766,145.343 ; v1(28.321,156.845) 29.917,156.845 R123.2@29.972,156.79
  L14_Bot w0.2: JP124.2@26.416,146.558 26.416,151.13 28.321,153.035 v1(28.321,156.845)
Boost_Cntrl_Arduino: JP111.3 JP123.1 | length 53.1
  L1_Top w0.2: JP123.1@23.876,133.35 25.055,134.529 37.882,134.529 38.735,135.382 v1(42.291,135.382) ; v1(42.291,136.906) 49.356,136.906 49.613,136.649 56.453,136.649 56.658,136.854 64.06,136.854 65.278,135.636 72.136,135.636 JP111.3@73.406,136.906
  L14_Bot w0.2: v1(42.291,135.382) v1(42.291,136.906)
Boost_Cntrl_Ext: JP123.3 X140.11 | length 80.8
  L1_Top w0.2: JP123.3@29.083,133.35 v1(38.292,133.35) ; v1(37.846,117.676) 37.92,117.602 46.384,117.602 46.658,117.876 60.31,117.876 61.676,116.511 61.734,116.452 70.86,116.452 ccw(c70.866,117.602) 70.872,116.452 73.4,116.452 ccw(c73.406,117.602) 73.412,116.452 88.36,116.452 89.034,117.126 89.034,118.078 88.12,118.992 88.12,119.906 X140.11@87.884,120.142
  L14_Bot w0.2: v1(37.846,117.676) 37.846,120.966 37.882,120.966 38.292,121.376 v1(38.292,133.35)
Boost_Cntrl_indep: JP123.2 JP124.3 | length 14.3
  L14_Bot w0.2: JP124.3@23.876,146.558 25.273,145.161 25.273,134.493 JP123.2@26.416,133.35
Boost_IN: D434.3 D435.1 R434.2 U430.1 | length 160.2
  L1_Top w0.2: v1(33.528,141.224) 34.337,141.224 D435.1@34.403,141.158 ; v1(33.539,143.952) 34.628,143.952 34.828,144.152 34.828,144.276 35.441,144.889 36.159,145.607 39.17,145.607 39.489,145.288 v1(42.926,145.288) ; v1(42.861,103.359) 42.976,103.474 43.247,103.474 43.278,103.505 44.577,103.505 45.085,104.013 53.086,104.013 53.519,103.58 64.718,103.58 v1(64.77,103.632) ; v1(64.516,83.566) v1(76.027,83.566) ; v1(76.658,36.322) 78.921,36.322 U430.1@79.048,36.195
  L14_Bot w0.2: v1(33.528,141.224) 33.539,141.235 v1(33.539,143.952) ; v1(42.861,103.359) 42.861,107.91 42.926,107.975 42.926,112.377 42.861,112.442 42.861,121.119 42.926,121.184 42.926,135.027 42.991,135.092 42.991,137.196 42.926,137.261 v1(42.926,145.288) ; v1(64.516,83.566) 64.516,93.224 64.834,93.542 64.834,103.568 v1(64.77,103.632) ; v1(76.027,83.566) 76.154,83.566 76.708,83.012 76.708,36.372 v1(76.658,36.322)
Buck_Cntrl: JP122.2 Q124.1 R122.2 R404.1 | length 37.3
  L1_Top w0.2: v1(26.416,142.24) v1(31.623,142.24) ; v1(31.685,131.5) 31.757,131.572 R122.2@33.655,131.572 33.655,130.065 R404.1@33.672,130.048 ; v1(31.75,154.94) 31.75,155.552 Q124.1@31.862,155.664
  L14_Bot w0.2: JP122.2@26.416,137.922 v1(26.416,142.24) ; v1(31.685,131.5) 31.654,131.531 31.654,142.209 v1(31.623,142.24) 31.686,142.303 31.686,154.876 v1(31.75,154.94)
Buck_Cntrl_Arduino: JP112.13 JP122.1 | length 58.6
  L1_Top w0.2: JP122.1@24.003,137.922 24.753,138.672 24.769,138.672 25.169,139.072 32.08,139.072 33.103,138.049 52.106,138.049 52.741,137.414 v1(53.086,137.414) ; v1(53.086,130.556) 56.456,130.556 56.71,130.302 64.407,130.302 65.557,129.152 72.009,129.152 ; 72.016,129.152 JP112.13@73.406,127.762
  L14_Bot w0.2: v1(53.086,130.556) v1(53.086,137.414)
Buck_Cntrl_Ext: JP122.3 X140.10 | length 75.3
  L1_Top w0.2: JP122.3@28.956,137.922 29.229,137.649 51.016,137.649 51.201,137.464 51.701,137.464 v1(51.816,137.349) ; v1(51.816,122.174) 55.391,122.174 55.593,122.376 64.713,122.376 65.677,121.412 86.614,121.412 X140.10@87.884,122.682
  L14_Bot w0.2: v1(51.816,122.174) v1(51.816,137.349)
Buck_Cntrl_Inv: JP124.1 Q124.3 R124.1 | length 15.5
  L1_Top w0.2: v1(31.496,157.226) 32.474,157.226 Q124.3@32.512,157.264 34.443,157.264 34.917,156.79 R124.1@35.052,156.79
  L14_Bot w0.2: JP124.1@28.956,146.558 30.861,148.463 30.861,155.448 31.496,156.083 v1(31.496,157.226)
Buck_IN: D404.3 D405.1 R404.2 U400.1 | length 118.5
  L1_Top w0.2: U400.1@14.932,40.513 v1(17.145,40.513) ; v1(17.145,95.885) v1(21.274,95.885) ; v1(20.574,128.016) 28.931,128.016 29.439,127.508 D404.3@33.14,127.508 v1(36.195,127.508) ; R404.2@35.052,130.048 35.052,129.913 35.312,129.653 35.828,129.653 36.173,129.308 v1(36.205,129.308) ; D405.1@35.44,122.875 35.614,122.875 35.814,123.075 v1(35.814,123.698)
  L14_Bot w0.2: v1@17.138,95.885 17.141,95.882 17.141,40.516 v1(17.145,40.513) ; v1(20.574,128.016) 20.574,122.848 20.444,122.718 20.444,104.524 21.274,103.694 v1(21.274,95.885) ; v1(35.814,123.698) 36.205,124.089 v1(36.205,129.308)
CIP: R611.2 TP611.1 U610.7 | length 18.4
  L1_Top w0.2: U610.7@36.998,30.551 44.087,30.551 45.682,28.956 TP611.1@45.783,28.956 ; R611.2@42.926,23.114 v1(44.958,23.114) ; v1(44.958,27.686) 44.958,28.131 TP611.1@45.783,28.956 ; TP611.1@46.482,28.956 TP611.1@45.783,28.956
  L14_Bot w0.2: v1(44.958,23.114) v1(44.958,27.686)